# Altium PCB fpga.PcbDoc (part 9 of 11)
Units mm, origin at the board's own origin, x right, y up, seen from the top; angles counter-clockwise.
Board outline 210 x 210 mm, 2 copper layers (Top Layer, Bottom Layer), stack 1.591 mm thick; 639 components, 1839 nets, 4759 pads, 4016 vias.
Unrouted connection lines stored in the file: 10.
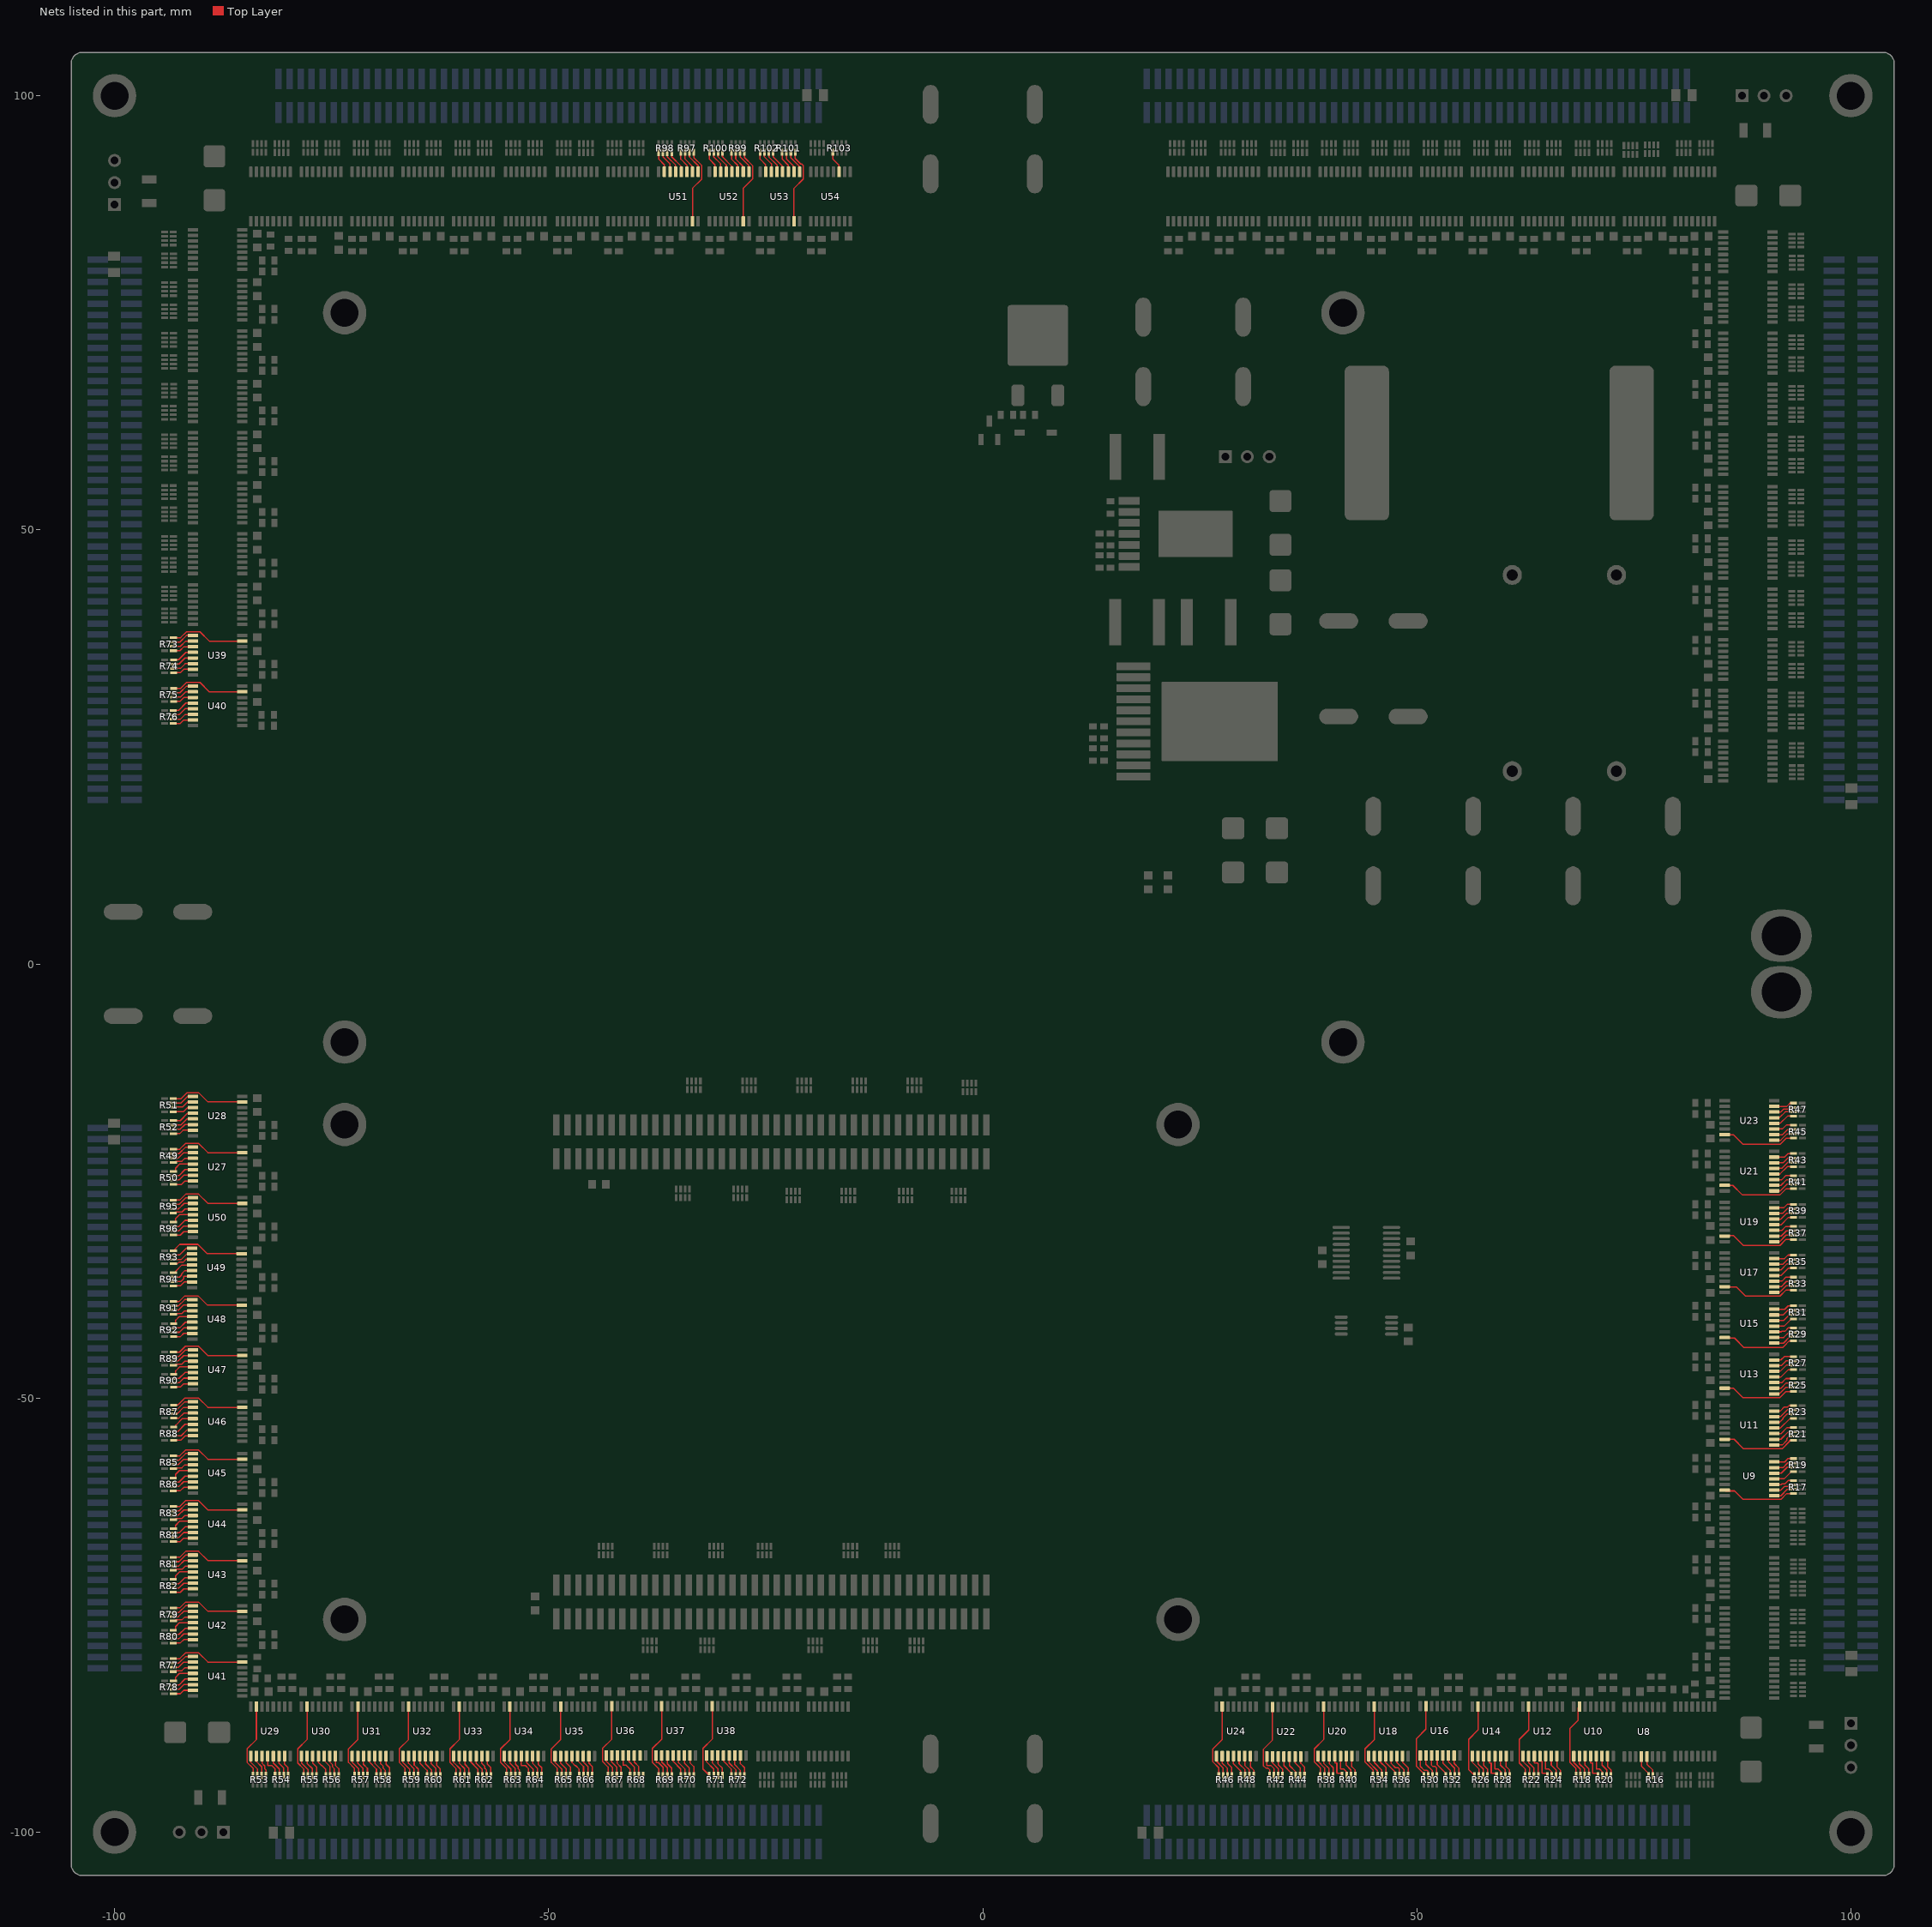
[diagram p9: the nets of this part, all layers, seen from the top]

## Via types
v1: diameter 0.6, hole 0.3, Top Layer to Bottom Layer, tented both sides, 3924 vias
v2: diameter 0.8, hole 0.4, Top Layer to Bottom Layer, tented both sides, 89 vias
v3: diameter 0.6, hole 0.3, Top Layer to Bottom Layer, 3 vias

## Nets (pads, with @x,y where several pads share a name; then routed paths per layer and width w, separated by ;. In a path a pad name is that pad's centre, name@x,y a point inside that pad or via, vN(x,y) a via of type N, cw(c..) or ccw(c..) an arc to the next point about the centre after c; other vN are vias at no path point) (continued)
NetR16_3: R16.3 U8.5 | length 2.5
  Top Layer w0.15: U8.5@76.514,-91.298 76.514,-92.179 77.194,-92.859 77.194,-93.218 77.216,-93.24 R16.3@77.216,-93.488
NetR16_4: R16.4 U8.4 | length 2.5
  Top Layer w0.15: U8.4@75.864,-91.298 75.864,-92.388 76.716,-93.24 R16.4@76.716,-93.488
NetR17_1: R17.1 U9.3 | length 2.4
  Top Layer w0.15: U9.3@91.17,-59.961 91.98,-59.961 92.056,-59.885 92.411,-59.885 92.79,-59.506 R17.1@93.408,-59.506
NetR17_2: R17.2 U9.2 | length 2.5
  Top Layer w0.15: U9.2@91.17,-60.611 91.93,-60.611 92.356,-60.185 92.756,-60.185 92.935,-60.006 R17.2@93.408,-60.006
NetR17_3: R17.3 U9.1 | length 2.6
  Top Layer w0.15: U9.1@91.17,-61.261 91.933,-61.261 92.688,-60.506 R17.3@93.408,-60.506
NetR17_4: R17.4 U9.15 | length 8.7
  Top Layer w0.15: U9.15@85.47,-60.611 85.559,-60.7 86.6,-60.7 87.586,-61.686 91.932,-61.686 92.612,-61.006 R17.4@93.408,-61.006
NetR18_1: R18.1 U10.3 | length 2.4
  Top Layer w0.15: U10.3@69.383,-91.242 69.383,-92.287 69.834,-92.738 R18.1@69.834,-93.472
NetR18_2: R18.2 U10.2 | length 2.5
  Top Layer w0.15: U10.2@68.733,-91.242 68.733,-92.131 69.334,-92.732 R18.2@69.334,-93.472
NetR18_3: R18.3 U10.1 | length 2.5
  Top Layer w0.15: U10.1@68.083,-91.242 68.083,-91.981 68.834,-92.732 R18.3@68.834,-93.472
NetR18_4: R18.4 U10.15 | length 8.7
  Top Layer w0.15: R18.4@68.334,-93.472 68.334,-92.656 67.658,-91.98 67.658,-88.044 68.58,-87.122 68.58,-85.695 U10.15@68.733,-85.542
NetR19_1: R19.1 U9.7 | length 2.4
  Top Layer w0.15: U9.7@91.17,-57.361 92.373,-57.361 92.764,-56.97 R19.1@93.4,-56.97
NetR19_2: R19.2 U9.6 | length 2.5
  Top Layer w0.15: U9.6@91.17,-58.011 92.198,-58.011 92.739,-57.47 R19.2@93.4,-57.47
NetR19_3: R19.3 U9.5 | length 2.5
  Top Layer w0.15: U9.5@91.17,-58.661 91.997,-58.661 92.688,-57.97 R19.3@93.4,-57.97
NetR19_4: R19.4 U9.4 | length 2.6
  Top Layer w0.15: U9.4@91.17,-59.311 92.304,-59.311 93.145,-58.47 R19.4@93.4,-58.47
NetR20_1: R20.1 U10.7 | length 2.4
  Top Layer w0.15: U10.7@71.983,-91.242 71.983,-92.464 72.378,-92.859 R20.1@72.378,-93.48
NetR20_2: R20.2 U10.6 | length 2.5
  Top Layer w0.15: U10.6@71.333,-91.242 71.333,-92.288 71.878,-92.833 R20.2@71.878,-93.48
NetR20_3: R20.3 U10.5 | length 2.7
  Top Layer w0.15: U10.5@70.683,-91.242 70.683,-92.706 70.708,-92.732 71.048,-92.732 71.378,-93.062 R20.3@71.378,-93.48
NetR20_4: R20.4 U10.4 | length 3
  Top Layer w0.15: U10.4@70.033,-91.242 70.033,-92.021 70.058,-92.046 70.235,-92.046 70.26,-92.071 70.26,-93.189 70.285,-93.214 70.878,-93.214 R20.4@70.878,-93.48
NetR21_1: R21.1 U11.3 | length 2.5
  Top Layer w0.15: U11.3@91.17,-54.103 91.952,-54.103 92.661,-53.394 R21.1@93.408,-53.394
NetR21_2: R21.2 U11.2 | length 2.6
  Top Layer w0.15: U11.2@91.17,-54.753 91.947,-54.753 92.806,-53.894 R21.2@93.408,-53.894
NetR21_3: R21.3 U11.1 | length 2.8
  Top Layer w0.15: U11.1@91.17,-55.403 92.111,-55.403 92.637,-54.877 92.637,-54.663 92.804,-54.496 93.043,-54.496 93.145,-54.394 R21.3@93.408,-54.394
NetR21_4: R21.4 U11.15 | length 8.8
  Top Layer w0.15: U11.15@85.47,-54.753 86.553,-54.753 87.628,-55.828 92.111,-55.828 92.937,-55.001 92.937,-54.894 R21.4@93.408,-54.894
NetR22_1: R22.1 U12.3 | length 2.6
  Top Layer w0.15: U12.3@63.541,-91.242 63.541,-92.021 63.566,-92.046 63.89,-92.046 63.992,-92.148 R22.1@63.992,-93.488
NetR22_2: R22.2 U12.2 | length 2.5
  Top Layer w0.15: U12.2@62.891,-91.242 62.891,-92.004 63.492,-92.605 R22.2@63.492,-93.488
NetR22_3: R22.3 U12.1 | length 2.6
  Top Layer w0.15: U12.1@62.241,-91.242 62.241,-91.854 62.992,-92.605 R22.3@62.992,-93.488
NetR22_4: R22.4 U12.15 | length 8.7
  Top Layer w0.15: R22.4@62.492,-93.488 62.492,-92.718 61.816,-92.042 61.816,-89.314 62.891,-88.239 U12.15@62.891,-85.542
NetR23_1: R23.1 U11.7 | length 2.5
  Top Layer w0.15: U11.7@91.17,-51.503 91.871,-51.503 92.319,-51.055 92.705,-51.055 92.901,-50.858 R23.1@93.4,-50.858
NetR23_2: R23.2 U11.6 | length 2.6
  Top Layer w0.15: U11.6@91.17,-52.153 91.893,-52.153 92.688,-51.358 R23.2@93.4,-51.358
NetR23_3: R23.3 U11.5 | length 2.7
  Top Layer w0.15: U11.5@91.17,-52.803 91.786,-52.803 92.206,-52.384 92.206,-52.286 92.634,-51.858 R23.3@93.4,-51.858
NetR23_4: R23.4 U11.4 | length 2.7
  Top Layer w0.15: U11.4@91.17,-53.453 91.901,-53.453 92.996,-52.358 R23.4@93.4,-52.358
NetR24_1: R24.1 U12.7 | length 2.4
  Top Layer w0.15: U12.7@66.141,-91.242 66.141,-92.464 66.536,-92.859 R24.1@66.536,-93.48
NetR24_2: R24.2 U12.6 | length 2.5
  Top Layer w0.15: U12.6@65.491,-91.242 65.491,-92.288 66.036,-92.833 R24.2@66.036,-93.48
NetR24_3: R24.3 U12.5 | length 2.7
  Top Layer w0.15: U12.5@64.841,-91.242 64.841,-92.706 64.866,-92.732 65.206,-92.732 65.536,-93.062 R24.3@65.536,-93.48
NetR24_4: R24.4 U12.4 | length 3
  Top Layer w0.15: U12.4@64.191,-91.242 64.191,-91.817 64.393,-91.817 64.418,-91.843 64.418,-93.189 64.469,-93.24 65.036,-93.24 R24.4@65.036,-93.48
NetR25_1: R25.1 U13.3 | length 2.4
  Top Layer w0.15: U13.3@91.17,-48.219 92.053,-48.219 92.512,-47.76 R25.1@93.4,-47.76
NetR25_2: R25.2 U13.2 | length 2.5
  Top Layer w0.15: U13.2@91.17,-48.869 91.952,-48.869 92.561,-48.26 R25.2@93.4,-48.26
NetR25_3: R25.3 U13.1 | length 2.5
  Top Layer w0.15: U13.1@91.17,-49.519 91.777,-49.519 92.536,-48.76 R25.3@93.4,-48.76
NetR25_4: R25.4 U13.15 | length 8.7
  Top Layer w0.15: U13.15@85.47,-48.869 86.469,-48.869 87.544,-49.944 91.834,-49.944 92.518,-49.26 R25.4@93.4,-49.26
NetR26_1: R26.1 U14.3 | length 2.4
  Top Layer w0.15: U14.3@57.699,-91.242 57.699,-92.287 58.154,-92.742 R26.1@58.154,-93.48
NetR26_2: R26.2 U14.2 | length 2.5
  Top Layer w0.15: U14.2@57.049,-91.242 57.049,-92.127 57.654,-92.732 R26.2@57.654,-93.48
NetR26_3: R26.3 U14.1 | length 2.6
  Top Layer w0.15: U14.1@56.399,-91.242 56.399,-91.952 57.154,-92.707 R26.3@57.154,-93.48
NetR26_4: R26.4 U14.15 | length 8.7
  Top Layer w0.15: R26.4@56.654,-93.48 55.974,-92.8 55.974,-89.314 57.049,-88.239 U14.15@57.049,-85.542
NetR27_1: R27.1 U13.7 | length 2.4
  Top Layer w0.15: U13.7@91.17,-45.619 91.942,-45.619 92.333,-45.228 R27.1@93.416,-45.228
NetR27_2: R27.2 U13.6 | length 2.5
  Top Layer w0.15: U13.6@91.17,-46.269 91.995,-46.269 92.536,-45.728 R27.2@93.416,-45.728
NetR27_3: R27.3 U13.5 | length 2.5
  Top Layer w0.15: U13.5@91.17,-46.919 91.87,-46.919 92.561,-46.228 R27.3@93.416,-46.228
NetR27_4: R27.4 U13.4 | length 2.6
  Top Layer w0.15: U13.4@91.17,-47.569 91.952,-47.569 92.793,-46.728 R27.4@93.416,-46.728
NetR28_1: R28.1 U14.7 | length 2.4
  Top Layer w0.15: U14.7@60.299,-91.242 60.299,-92.464 60.694,-92.859 R28.1@60.694,-93.48
NetR28_2: R28.2 U14.6 | length 2.5
  Top Layer w0.15: U14.6@59.649,-91.242 59.649,-92.288 60.194,-92.833 R28.2@60.194,-93.48
NetR28_3: R28.3 U14.5 | length 2.7
  Top Layer w0.15: U14.5@58.999,-91.242 58.999,-92.706 59.024,-92.732 59.364,-92.732 59.694,-93.062 R28.3@59.694,-93.48
NetR28_4: R28.4 U14.4 | length 3
  Top Layer w0.15: U14.4@58.349,-91.242 58.349,-92.021 58.374,-92.046 58.551,-92.046 58.576,-92.071 58.576,-93.214 58.601,-93.24 59.194,-93.24 R28.4@59.194,-93.48
NetR29_1: R29.1 U15.3 | length 2.4
  Top Layer w0.15: U15.3@91.17,-42.377 91.977,-42.377 92.038,-42.316 92.396,-42.316 92.79,-41.922 R29.1@93.408,-41.922
NetR29_2: R29.2 U15.2 | length 2.5
  Top Layer w0.15: U15.2@91.17,-43.027 92.266,-43.027 92.871,-42.422 R29.2@93.408,-42.422
NetR29_3: R29.3 U15.1 | length 2.6
  Top Layer w0.15: U15.1@91.17,-43.677 92.226,-43.677 92.981,-42.922 R29.3@93.408,-42.922
NetR29_4: R29.4 U15.15 | length 8.7
  Top Layer w0.15: U15.15@85.47,-43.027 85.543,-43.1 86.6,-43.1 87.696,-44.196 92.131,-44.196 92.35,-43.977 92.905,-43.422 R29.4@93.408,-43.422
NetR30_1: R30.1 U16.3 | length 2.7
  Top Layer w0.15: U16.3@51.704,-91.186 51.704,-92.3 51.82,-92.416 52.088,-92.416 52.3,-92.628 R30.1@52.3,-93.488
NetR30_2: R30.2 U16.2 | length 2.6
  Top Layer w0.15: U16.2@51.054,-91.186 51.054,-92.182 51.8,-92.928 R30.2@51.8,-93.488
NetR30_3: R30.3 U16.1 | length 2.9
  Top Layer w0.15: U16.1@50.404,-91.186 50.404,-92.434 50.829,-92.859 51.173,-92.859 51.3,-92.986 R30.3@51.3,-93.488
NetR30_4: R30.4 U16.15 | length 8.8
  Top Layer w0.15: R30.4@50.8,-93.488 50.8,-93.159 50.705,-93.159 49.979,-92.433 49.979,-89.213 51.054,-88.138 U16.15@51.054,-85.486
NetR31_1: R31.1 U15.7 | length 2.4
  Top Layer w0.15: U15.7@91.17,-39.777 92.395,-39.777 92.79,-39.382 R31.1@93.408,-39.382
NetR31_2: R31.2 U15.6 | length 2.5
  Top Layer w0.15: U15.6@91.17,-40.427 92.219,-40.427 92.764,-39.882 R31.2@93.408,-39.882
NetR31_3: R31.3 U15.5 | length 2.5
  Top Layer w0.15: U15.5@91.17,-41.077 92.26,-41.077 92.955,-40.382 R31.3@93.408,-40.382
NetR31_4: R31.4 U15.4 | length 2.6
  Top Layer w0.15: U15.4@91.17,-41.727 92.3,-41.727 93.145,-40.882 R31.4@93.408,-40.882
NetR32_1: R32.1 U16.7 | length 2.5
  Top Layer w0.15: U16.7@54.304,-91.186 54.304,-92.097 54.864,-92.657 R32.1@54.864,-93.488
NetR32_2: R32.2 U16.6 | length 2.6
  Top Layer w0.15: U16.6@53.654,-91.186 53.654,-91.92 54.364,-92.63 R32.2@54.364,-93.488
NetR32_3: R32.3 U16.5 | length 2.7
  Top Layer w0.15: U16.5@53.004,-91.186 53.004,-92.046 53.864,-92.906 R32.3@53.864,-93.488
NetR32_4: R32.4 U16.4 | length 2.7
  Top Layer w0.15: U16.4@52.354,-91.186 52.354,-92.23 53.364,-93.24 R32.4@53.364,-93.488
NetR33_1: R33.1 U17.3 | length 2.4
  Top Layer w0.15: U17.3@91.17,-36.535 92.053,-36.535 92.508,-36.08 R33.1@93.408,-36.08
NetR33_2: R33.2 U17.2 | length 2.5
  Top Layer w0.15: U17.2@91.17,-37.185 91.982,-37.185 92.587,-36.58 R33.2@93.408,-36.58
NetR33_3: R33.3 U17.1 | length 2.6
  Top Layer w0.15: U17.1@91.17,-37.835 91.781,-37.835 92.536,-37.08 R33.3@93.408,-37.08
NetR33_4: R33.4 U17.15 | length 8.7
  Top Layer w0.15: U17.15@85.47,-37.185 85.485,-37.2 86.8,-37.2 87.86,-38.26 91.834,-38.26 92.514,-37.58 R33.4@93.408,-37.58
NetR34_1: R34.1 U18.3 | length 2.5
  Top Layer w0.15: U18.3@45.761,-91.242 45.761,-91.884 46.466,-92.589 R34.1@46.466,-93.472
NetR34_2: R34.2 U18.2 | length 2.6
  Top Layer w0.15: U18.2@45.111,-91.242 45.111,-91.992 45.966,-92.847 R34.2@45.966,-93.472
NetR34_3: R34.3 U18.1 | length 2.6
  Top Layer w0.15: U18.1@44.461,-91.242 44.461,-91.926 45.466,-92.931 R34.3@45.466,-93.472
NetR34_4: R34.4 U18.15 | length 8.8
  Top Layer w0.15: R34.4@44.966,-93.472 44.966,-92.856 44.036,-91.926 44.036,-90.417 45.111,-89.342 U18.15@45.111,-85.542
NetR35_1: R35.1 U17.7 | length 2.4
  Top Layer w0.15: U17.7@91.17,-33.935 92.365,-33.935 92.764,-33.536 R35.1@93.4,-33.536
NetR35_2: R35.2 U17.6 | length 2.5
  Top Layer w0.15: U17.6@91.17,-34.585 92.19,-34.585 92.739,-34.036 R35.2@93.4,-34.036
NetR35_3: R35.3 U17.5 | length 2.5
  Top Layer w0.15: U17.5@91.17,-35.235 91.968,-35.235 92.667,-34.536 R35.3@93.4,-34.536
NetR35_4: R35.4 U17.4 | length 2.6
  Top Layer w0.15: U17.4@91.17,-35.885 91.952,-35.885 92.801,-35.036 R35.4@93.4,-35.036
NetR36_1: R36.1 U18.7 | length 2.5
  Top Layer w0.15: U18.7@48.361,-91.242 48.361,-91.943 49.006,-92.588 R36.1@49.006,-93.472
NetR36_2: R36.2 U18.6 | length 2.6
  Top Layer w0.15: U18.6@47.711,-91.242 47.711,-91.988 48.506,-92.783 R36.2@48.506,-93.472
NetR36_3: R36.3 U18.5 | length 2.8
  Top Layer w0.15: U18.5@47.061,-91.242 47.061,-92.11 47.531,-92.579 47.857,-92.579 48.006,-92.728 R36.3@48.006,-93.472
NetR36_4: R36.4 U18.4 | length 2.7
  Top Layer w0.15: U18.4@46.411,-91.242 46.411,-91.971 47.506,-93.066 R36.4@47.506,-93.472
NetR37_1: R37.1 U19.3 | length 2.4
  Top Layer w0.15: U19.3@91.17,-30.693 92.053,-30.693 92.508,-30.238 R37.1@93.408,-30.238
NetR37_2: R37.2 U19.2 | length 2.5
  Top Layer w0.15: U19.2@91.17,-31.343 91.982,-31.343 92.587,-30.738 R37.2@93.408,-30.738
NetR37_3: R37.3 U19.1 | length 2.6
  Top Layer w0.15: U19.1@91.17,-31.993 91.781,-31.993 92.536,-31.238 R37.3@93.408,-31.238
NetR37_4: R37.4 U19.15 | length 8.7
  Top Layer w0.15: U19.15@85.47,-31.343 85.513,-31.3 86.5,-31.3 87.618,-32.418 91.834,-32.418 92.514,-31.738 R37.4@93.408,-31.738
NetR38_1: R38.1 U20.3 | length 2.4
  Top Layer w0.15: U20.3@39.919,-91.242 39.919,-92.124 40.374,-92.579 R38.1@40.374,-93.48
NetR38_2: R38.2 U20.2 | length 2.5
  Top Layer w0.15: U20.2@39.269,-91.242 39.269,-92.051 39.874,-92.656 R38.2@39.874,-93.48
NetR38_3: R38.3 U20.1 | length 2.6
  Top Layer w0.15: U20.1@38.619,-91.242 38.619,-91.85 39.374,-92.605 R38.3@39.374,-93.48
NetR38_4: R38.4 U20.15 | length 8.7
  Top Layer w0.15: R38.4@38.874,-93.48 38.874,-92.586 38.194,-91.906 38.194,-90.417 39.269,-89.342 U20.15@39.269,-85.542
NetR39_1: R39.1 U19.7 | length 2.4
  Top Layer w0.15: U19.7@91.17,-28.093 92.268,-28.093 92.663,-27.698 R39.1@93.408,-27.698
NetR39_2: R39.2 U19.6 | length 2.5
  Top Layer w0.15: U19.6@91.17,-28.743 92.143,-28.743 92.688,-28.198 R39.2@93.408,-28.198
NetR39_3: R39.3 U19.5 | length 2.5
  Top Layer w0.15: U19.5@91.17,-29.393 91.943,-29.393 92.638,-28.698 R39.3@93.408,-28.698
NetR39_4: R39.4 U19.4 | length 2.6
  Top Layer w0.15: U19.4@91.17,-30.043 91.952,-30.043 92.797,-29.198 R39.4@93.408,-29.198
NetR40_1: R40.1 U20.7 | length 2.4
  Top Layer w0.15: U20.7@42.519,-91.242 42.519,-92.468 42.91,-92.859 R40.1@42.91,-93.472
NetR40_2: R40.2 U20.6 | length 2.5
  Top Layer w0.15: U20.6@41.869,-91.242 41.869,-92.292 42.41,-92.833 R40.2@42.41,-93.472
NetR40_3: R40.3 U20.5 | length 2.7
  Top Layer w0.15: U20.5@41.219,-91.242 41.219,-92.706 41.244,-92.732 41.58,-92.732 41.91,-93.062 R40.3@41.91,-93.472
NetR40_4: R40.4 U20.4 | length 3
  Top Layer w0.15: U20.4@40.569,-91.242 40.569,-92.021 40.594,-92.046 40.771,-92.046 40.796,-92.071 40.796,-93.189 40.821,-93.214 41.41,-93.214 R40.4@41.41,-93.472
NetR41_1: R41.1 U21.3 | length 2.4
  Top Layer w0.15: U21.3@91.17,-24.851 92.053,-24.851 92.52,-24.384 R41.1@93.4,-24.384
NetR41_2: R41.2 U21.2 | length 2.5
  Top Layer w0.15: U21.2@91.17,-25.501 91.944,-25.501 92.561,-24.884 R41.2@93.4,-24.884
NetR41_3: R41.3 U21.1 | length 2.5
  Top Layer w0.15: U21.1@91.17,-26.151 91.857,-26.151 92.624,-25.384 R41.3@93.4,-25.384
NetR41_4: R41.4 U21.15 | length 8.7
  Top Layer w0.15: U21.15@85.47,-25.501 85.471,-25.5 86.4,-25.5 87.476,-26.576 91.857,-26.576 92.549,-25.884 R41.4@93.4,-25.884
NetR42_1: R42.1 U22.3 | length 2.4
  Top Layer w0.15: U22.3@34.036,-91.298 34.036,-92.246 34.544,-92.754 R42.1@34.544,-93.472
NetR42_2: R42.2 U22.2 | length 2.4
  Top Layer w0.15: U22.2@33.386,-91.298 33.386,-92.048 34.044,-92.706 R42.2@34.044,-93.472
NetR42_3: R42.3 U22.1 | length 2.8
  Top Layer w0.15: U22.1@32.736,-91.298 32.736,-92.325 32.761,-92.351 33.227,-92.351 33.544,-92.668 R42.3@33.544,-93.472
NetR42_4: R42.4 U22.15 | length 8.8
  Top Layer w0.15: R42.4@33.044,-93.472 33.044,-92.816 32.879,-92.651 32.637,-92.651 32.311,-92.325 32.311,-90.473 33.386,-89.398 U22.15@33.386,-85.598
NetR43_1: R43.1 U21.7 | length 2.4
  Top Layer w0.15: U21.7@91.17,-22.251 92.349,-22.251 92.748,-21.852 R43.1@93.4,-21.852
NetR43_2: R43.2 U21.6 | length 2.5
  Top Layer w0.15: U21.6@91.17,-22.901 92.199,-22.901 92.748,-22.352 R43.2@93.4,-22.352
NetR43_3: R43.3 U21.5 | length 2.5
  Top Layer w0.15: U21.5@91.17,-23.551 92.049,-23.551 92.748,-22.852 R43.3@93.4,-22.852
NetR43_4: R43.4 U21.4 | length 2.6
  Top Layer w0.15: U21.4@91.17,-24.201 91.826,-24.201 92.675,-23.352 R43.4@93.4,-23.352
NetR44_1: R44.1 U22.7 | length 2.4
  Top Layer w0.15: U22.7@36.636,-91.298 36.636,-92.071 37.068,-92.503 R44.1@37.068,-93.472
NetR44_2: R44.2 U22.6 | length 2.4
  Top Layer w0.15: U22.6@35.986,-91.298 35.986,-92.023 36.568,-92.605 R44.2@36.568,-93.472
NetR44_3: R44.3 U22.5 | length 2.5
  Top Layer w0.15: U22.5@35.336,-91.298 35.336,-92.325 36.068,-93.057 R44.3@36.068,-93.472
NetR44_4: R44.4 U22.4 | length 2.5
  Top Layer w0.15: U22.4@34.686,-91.298 34.686,-92.332 35.568,-93.214 R44.4@35.568,-93.472
NetR45_1: R45.1 U23.3 | length 2.4
  Top Layer w0.15: U23.3@91.17,-19.009 92.116,-19.009 92.559,-18.566 R45.1@93.416,-18.566
NetR45_2: R45.2 U23.2 | length 2.5
  Top Layer w0.15: U23.2@91.17,-19.659 92.141,-19.659 92.734,-19.066 R45.2@93.416,-19.066
NetR45_3: R45.3 U23.1 | length 2.6
  Top Layer w0.15: U23.1@91.17,-20.309 91.915,-20.309 92.658,-19.566 R45.3@93.416,-19.566
NetR45_4: R45.4 U23.15 | length 8.7
  Top Layer w0.15: U23.15@85.47,-19.659 86.459,-19.659 87.577,-20.777 91.871,-20.777 92.04,-20.609 92.583,-20.066 R45.4@93.416,-20.066
NetR46_1: R46.1 U24.3 | length 2.4
  Top Layer w0.15: U24.3@28.235,-91.242 28.235,-92.124 28.69,-92.579 R46.1@28.69,-93.48
NetR46_2: R46.2 U24.2 | length 2.5
  Top Layer w0.15: U24.2@27.585,-91.242 27.585,-92.051 28.19,-92.656 R46.2@28.19,-93.48
NetR46_3: R46.3 U24.1 | length 2.6
  Top Layer w0.15: U24.1@26.935,-91.242 26.935,-91.85 27.69,-92.605 R46.3@27.69,-93.48
NetR46_4: R46.4 U24.15 | length 8.7
  Top Layer w0.15: R46.4@27.19,-93.48 27.19,-92.586 26.51,-91.906 26.51,-90.417 27.585,-89.342 U24.15@27.585,-85.542
NetR47_1: R47.1 U23.7 | length 2.4
  Top Layer w0.15: U23.7@91.17,-16.409 92.649,-16.409 93.032,-16.026 R47.1@93.4,-16.026
NetR47_2: R47.2 U23.6 | length 2.5
  Top Layer w0.15: U23.6@91.17,-17.059 91.907,-17.059 92.257,-16.709 92.773,-16.709 92.956,-16.526 R47.2@93.4,-16.526
NetR47_3: R47.3 U23.5 | length 2.5
  Top Layer w0.15: U23.5@91.17,-17.709 91.765,-17.709 92.448,-17.026 R47.3@93.4,-17.026
NetR47_4: R47.4 U23.4 | length 2.6
  Top Layer w0.15: U23.4@91.17,-18.359 91.877,-18.359 92.71,-17.526 R47.4@93.4,-17.526
NetR48_1: R48.1 U24.7 | length 2.4
  Top Layer w0.15: U24.7@30.835,-91.242 30.835,-92.476 31.218,-92.859 R48.1@31.218,-93.472
NetR48_2: R48.2 U24.6 | length 2.5
  Top Layer w0.15: U24.6@30.185,-91.242 30.185,-92.3 30.718,-92.833 R48.2@30.718,-93.472
NetR48_3: R48.3 U24.5 | length 2.5
  Top Layer w0.15: U24.5@29.535,-91.242 29.535,-92.129 30.218,-92.812 R48.3@30.218,-93.472
NetR48_4: R48.4 U24.4 | length 2.6
  Top Layer w0.15: U24.4@28.885,-91.242 28.885,-92.127 29.718,-92.96 R48.4@29.718,-93.472
NetR49_1: R49.1 U27.3 | length 2.5
  Top Layer w0.15: R49.1@-93.226,-22.848 -92.986,-22.848 -92.986,-22.729 -92.255,-22.729 -91.919,-22.393 U27.3@-90.988,-22.393
NetR49_2: R49.2 U27.2 | length 2.5
  Top Layer w0.15: R49.2@-93.226,-22.348 -92.651,-22.348 -92.046,-21.743 U27.2@-90.988,-21.743
NetR49_3: R49.3 U27.1 | length 2.6
  Top Layer w0.15: R49.3@-93.226,-21.848 -92.579,-21.848 -91.824,-21.093 U27.1@-90.988,-21.093
NetR49_4: R49.4 U27.15 | length 8.7
  Top Layer w0.15: R49.4@-93.226,-21.348 -92.504,-21.348 -91.824,-20.668 -90.324,-20.668 -89.249,-21.743 U27.15@-85.288,-21.743
NetR50_1: R50.1 U27.7 | length 2.4
  Top Layer w0.15: R50.1@-93.226,-25.388 -92.289,-25.388 -91.894,-24.993 U27.7@-90.988,-24.993
NetR50_2: R50.2 U27.6 | length 2.5
  Top Layer w0.15: R50.2@-93.226,-24.888 -92.591,-24.888 -92.046,-24.343 U27.6@-90.988,-24.343
NetR50_3: R50.3 U27.5 | length 2.5
  Top Layer w0.15: R50.3@-93.226,-24.388 -92.579,-24.388 -91.884,-23.693 U27.5@-90.988,-23.693
NetR50_4: R50.4 U27.4 | length 2.8
  Top Layer w0.15: R50.4@-93.226,-23.888 -92.986,-23.888 -92.986,-23.526 -92.503,-23.043 U27.4@-90.988,-23.043
NetR51_1: R51.1 U28.3 | length 2.4
  Top Layer w0.15: R51.1@-93.234,-17.018 -92.055,-17.018 -91.588,-16.551 U28.3@-90.988,-16.551
NetR51_2: R51.2 U28.2 | length 2.5
  Top Layer w0.15: R51.2@-93.234,-16.518 -93.192,-16.476 -92.163,-16.476 -91.588,-15.901 U28.2@-90.988,-15.901
NetR51_3: R51.3 U28.1 | length 2.6
  Top Layer w0.15: R51.3@-93.234,-16.018 -92.355,-16.018 -91.588,-15.251 U28.1@-90.988,-15.251
NetR51_4: R51.4 U28.15 | length 8.7
  Top Layer w0.15: R51.4@-93.234,-15.518 -92.344,-15.518 -91.652,-14.826 -90.324,-14.826 -89.249,-15.901 U28.15@-85.288,-15.901
NetR52_1: R52.1 U28.7 | length 2.4
  Top Layer w0.15: R52.1@-93.226,-19.546 -92.52,-19.546 -92.125,-19.151 U28.7@-90.988,-19.151